# Altium PCB PCB1.PcbDoc
Units mm, origin at the board's own origin, x right, y up, seen from the top; angles counter-clockwise.
Board outline 52.07 x 90.17 mm, 2 copper layers (Top Layer, Bottom Layer); 40 components, 29 nets, 205 pads, 0 vias.
Unrouted connection lines stored in the file: 99.
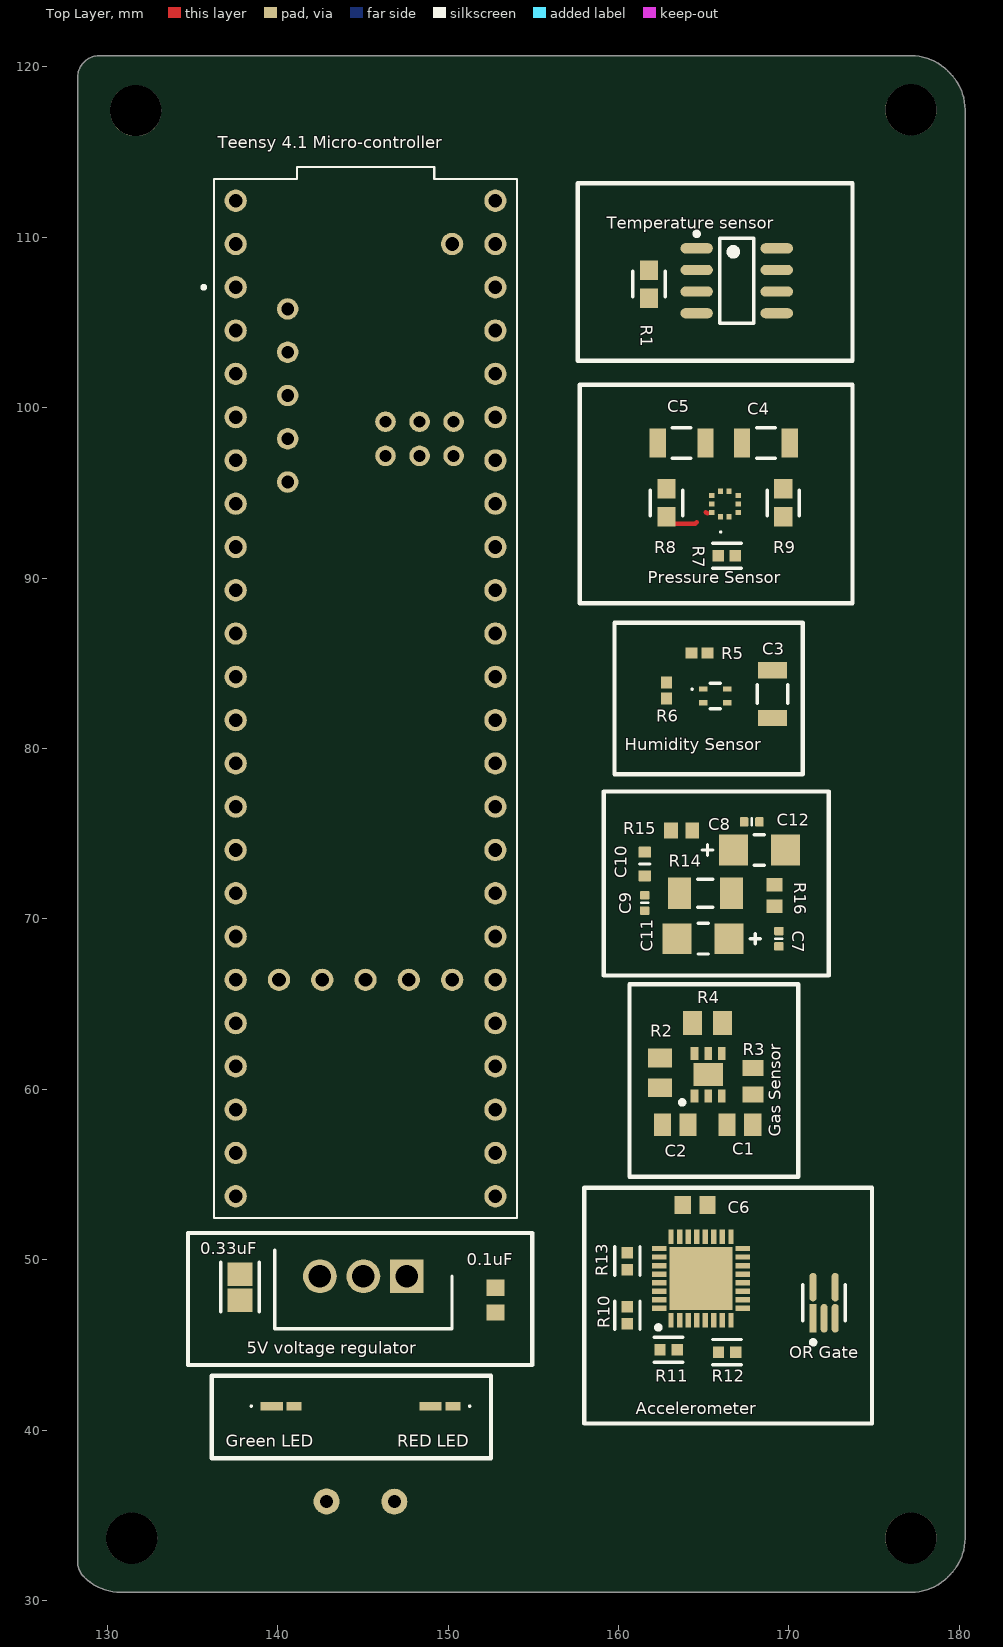
[diagram p0: Top Layer view]
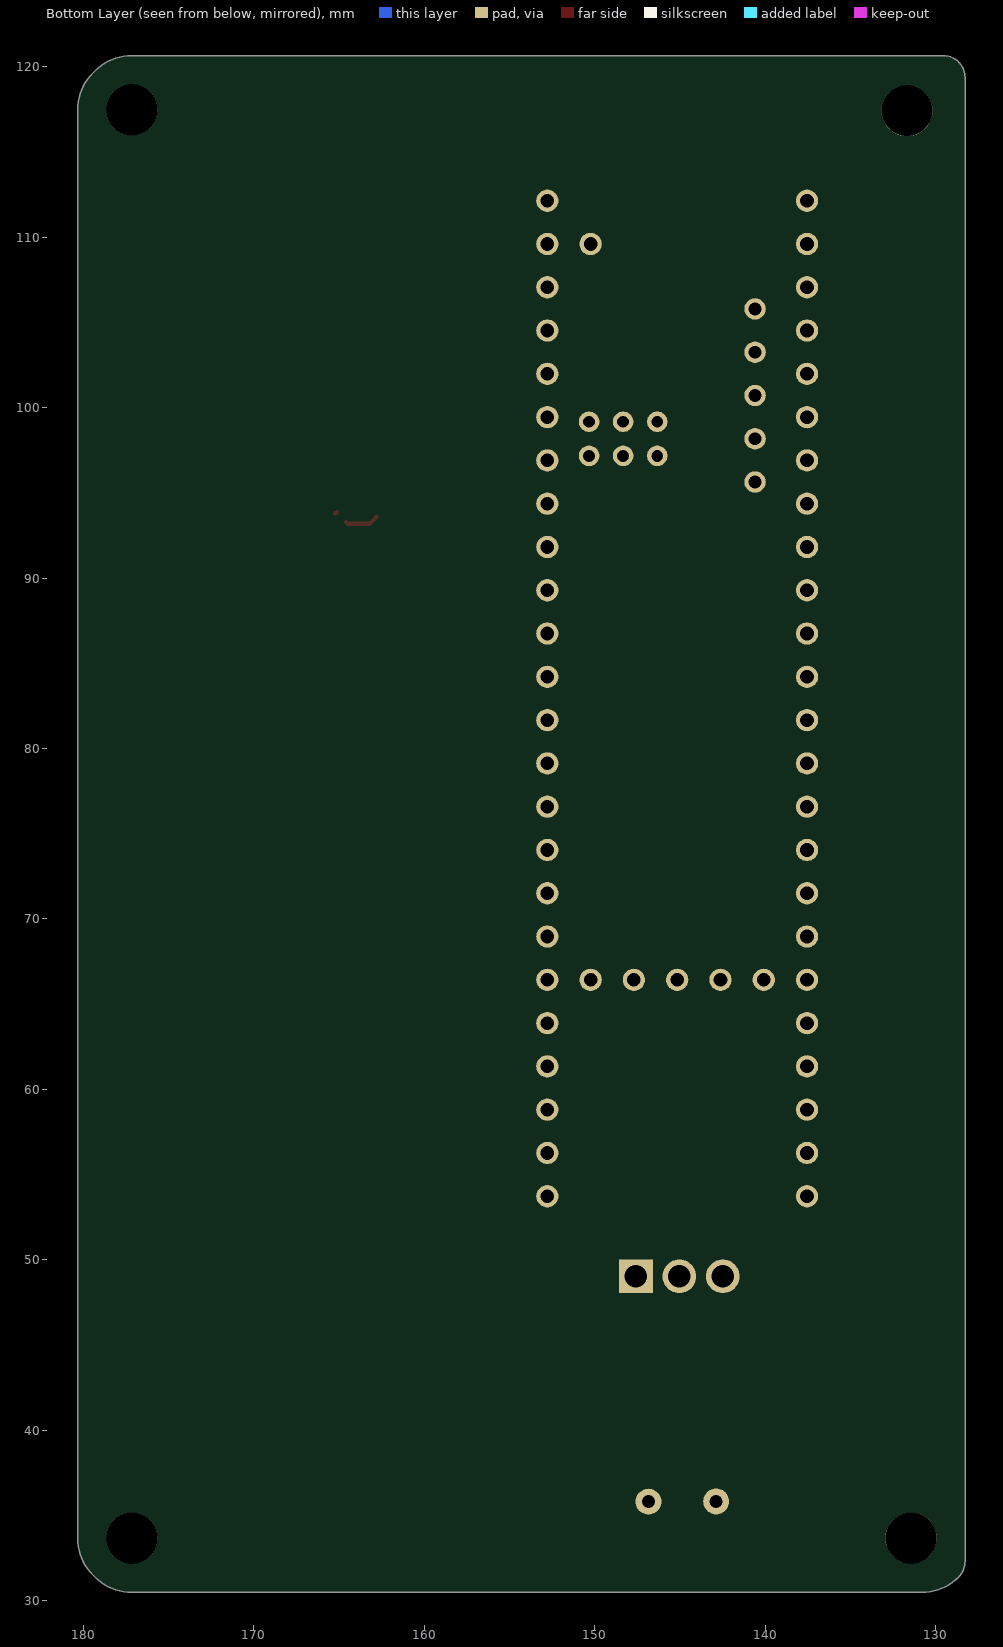
[diagram p1: Bottom Layer view, seen from below]

## Layer stack, top to bottom
Top Solder: solder mask 0.0102, Solder Resist, Dk 3.5
Top Layer: signal copper 0.0356
Dielectric 1: dielectric 0.32, FR-4, Dk 4.8
Bottom Layer: signal copper 0.0356
Bottom Solder: solder mask 0.0102, Solder Resist, Dk 3.5

## Board outline
128.27,32.276 128.27,119.38 cw(c129.54,119.38) 129.54,120.65 177.165,120.65 cw(c177.165,117.584) 179.333,119.752 179.442,119.643 cw(c177.274,117.475) 180.34,117.475 180.34,33.655 cw(c177.274,33.655) 179.442,31.487 179.333,31.378 cw(c177.165,33.546) 177.165,30.48 130.81,30.48 cw(c130.81,33.546) 128.642,31.378 cw(c129.54,32.276)

## Design rules (kind name [scope] priority, off if disabled: settings)
Clearance [All] p1: gap=0.254 ignorepadtopadclearanceinfootprint=FALSE except(0: Arc-Hole Track-Hole SMDPad-Hole THPad-Hole Via-Hole Fill-Hole Poly-Hole Region-Hole Text-Hole)
PolygonConnect [All] p1: connectstyle=Relief reliefconductorwidth=0.254 reliefentries=4 polygonreliefangle="90 Angle" airgapwidth=0.254
RoutingVias [All] p1: holewidth=0.711 width=1.27 viastyle="Through Hole" minholewidth=0.711 minwidth=1.27 maxholewidth=0.711 maxwidth=1.27
SolderMaskExpansion [All] p1: expansion=0.102 istentingtop=FALSE
Width [All] p1: maxlimit=0.254 minlimit=0.254 preferedwidth=0.254
30 further rules are at their usual default settings.

## Classes and differential pairs
component class "Sunsat Full Schematic": 0.1uF 0.33uF "5V voltage regulator" C11 C12 "Green LED" R15 R16 "RED LED" "Teensy 4.1 Micro-controller"
component class "Sensors schematic": Accelerometer C1 C2 C3 C4 C5 C6 "Gas Sensor" "Humidity Sensor" "OR Gate" "Pressure Sensor" R1 R2 R3 R4 R5 R6 R7 R8 R9 R10 R11 R12 R13 "Temperature sensor"
component class "Gyro Sensor": C7 C8 C9 C10 "Gyro Sensor" R14

## Components (designator, comment, footprint, x,y, rotation, side; value= is the part's Value field where it differs from the comment)
0.1uF "GRM188R71H104KA93D" CAPC1608X90X35ML10T15 152.781,47.625 r90 top (schematic designator "0.1uF capacitor")
0.33uF "C2012X8R1E334K125AA" FP-C2012-125-0_2-IPC_B 137.795,48.387 r90 top
"5V voltage regulator" "L7805ACV" TO255P460X1020X2008-3P 147.584,49.022 r180 top
Accelerometer "ADXL314WBCPZ-RL" QFN50P500X500X155-33N-D 164.846,48.895 r90 top
C1 "GRM21BR71H105KA12L" CAPC2013X135X45LL10T25 167.132,57.912 r0 top
C2 "GRM21BR71H105KA12L" CAPC2013X135X45LL10T25 163.334,57.912 r0 top
C3 "C1206C104K2RACTU" FP-C1206C-EB-MFG 169.037,83.185 r270 top value="0.10 μF"
C4 "C1206C104K2RACTU" FP-C1206C-EB-MFG 168.659,97.917 r0 top value="0.10 μF"
C5 "C1206C104K2RACTU" FP-C1206C-EB-MFG 163.703,97.917 r0 top value="0.10 μF"
C6 "GRM188R71H104KA93D" CAPC1608X90X35ML10T15 164.502,53.213 r0 top
C7 "Capacitor 100nF +/-20% 10V 0402" CAPC0402(1005)60_L 169.418,68.834 r90 top value=100nF
C8 "Capacitor 10µF +/-40% 6.3V 0402" CAPC0402(1005)60_L 167.825,75.692 r180 top value=10µF
C9 "Capacitor 10nF +/-20% 50V 0402" CAPC0402(1005)60_L 161.544,70.935 r270 top value=10nF
C10 "Capacitor 470nF +/-20% 25V 0603" CAPC0603(1608)100_L 161.544,73.217 r270 top value=470nF
C11 "293D105X0016A2TE3" FP-293DA-MFG 164.973,68.834 r0 top
C12 "293D105X0016A2TE3" FP-293DA-MFG 168.275,74.041 r180 top
"Gas Sensor" "SGP40-D-R4" SON80P244X244X95-7N 165.265,60.853 r90 top
"Green LED" "ASCKCG00-NW5X5020302" ASCKCG00NW5X5020302 140.205,41.402 r180 top
"Humidity Sensor" "SHT45-AD1B-R2" SHT45AD1BR2 165.673,83.077 r0 top
"OR Gate" "SN74LVC1G32DCKR" FP-DCK0005A-IPC_A 172.07,47.473 r90 top
"Pressure Sensor" "BMP581" BMP581 166.247,94.349 r90 top
R1 "CRCW06033K30FKEA" FP-CRCW0603-e3-IPC_A 161.798,107.241 r270 top
R2 "CRCW080510K0FKEAHP" RESC2013X60X40NL15T20 162.433,60.96 r90 top
R3 "ERJ-6RQF4R7V" RESC2013X70X40LL20T20 167.894,60.465 r90 top
R4 "CRCW080510K0FKEAHP" RESC2013X60X40NL15T20 165.227,63.881 r0 top
R5 "CRCW040210K0FKEDHP" RESC1005X40X25ML05T10 164.752,85.598 r0 top
R6 "CRCW040210K0FKEDHP" RESC1005X40X25ML05T10 162.814,83.406 r270 top
R7 "CRCW04024K70JNED" FP-CRCW0402-e3-IPC_A 166.364,91.313 r180 top
R8 "CRCW060310R0FKEA" FP-CRCW0603-e3-IPC_A 162.814,94.414 r270 top
R9 "CRCW060310R0FKEA" FP-CRCW0603-e3-IPC_A 169.672,94.414 r90 top
R10 "CRCW04024K70JNED" FP-CRCW0402-e3-IPC_A 160.528,46.736 r90 top
R11 "CRCW04024K70JNED" FP-CRCW0402-e3-IPC_A 162.941,44.704 r0 top
R12 "CRCW04024K70JNED" FP-CRCW0402-e3-IPC_A 166.376,44.577 r180 top
R13 "CRCW04024K70JNED" FP-CRCW0402-e3-IPC_A 160.528,49.911 r90 top
R14 "Resistor 10k +/-1% 1206 250 mW" RESC3216X60X45ML15T20 165.099,71.501 r0 top value=10k
R15 "CRCW0603110RFKEA" RESC1609X50X30NL10T20 163.713,75.184 r180 top
R16 "CRCW0603110RFKEA" RESC1609X50X30NL10T20 169.164,71.374 r90 top
"RED LED" "ASCKCR00-BU5V5020402" ASCKCR00BU5V5020402 149.521,41.402 r180 top
"Teensy 4.1 Micro-controller" "Teensy 4.1" MODULE_DEV-16771 145.161,82.931 r270 top
"Temperature sensor" "." MAXM-S8+2_L 166.942,107.442 r0 top

## Footprints (in the part's own frame and the unit in brackets; to place one, negate y for a bottom-side part, rotate by r counter-clockwise, add the part's x,y. Pads: shape width x height; smd on the part's side, far side on the other; paste and mask are expansions set on the pad)
ASCKCG00NW5X5020302 [mm]
  rect 1.3x0.5 smd: 1(0.55,0)
  rect 0.87x0.5 smd: 2(-0.765,0)
  silkscreen extent 1.7,-0.05 1.8,0.05
ASCKCR00BU5V5020402 [mm]
  rect 0.87x0.5 smd: 1(-0.765,0)
  rect 1.3x0.5 smd: 2(0.55,0)
  silkscreen extent -1.8,-0.05 -1.7,0.05
BMP581 [mm]
  rect 0.325x0.3 smd: 1(-0.75,0.25) 2(-0.75,-0.25) 6(0.75,-0.25) 7(0.75,0.25)
  rect 0.3x0.325 smd: 3(-0.5,-0.775) 4(0,-0.775) 5(0.5,-0.775) 8(0.5,0.775) 9(0,0.775) 10(-0.5,0.775)
  silkscreen extent -1.7,0.2 -1.6,0.3
CAPC0402(1005)60_L [mm] "Chip Capacitor, Body 1.0x0.5mm, Height 0.6mm, IPC High Density"
  rrect25% 0.5x0.55 smd: 1(-0.45,0) 2(0.45,0)
  silkscreen extent 0,-0.2 0,0.2, body extent -0.5,-0.25 0.5,0.25, height 0.6
CAPC0603(1608)100_L [mm] "Chip Capacitor, Body 1.6x0.8mm, Height 1.0mm, IPC High Density"
  rrect25% 0.66x0.76 smd: 1(-0.7,0) 2(0.7,0)
  silkscreen extent 0,-0.3 0,0.3, body extent -0.8,-0.4 0.8,0.4, height 0.95
CAPC1608X90X35ML10T15 [mm] "Chip Capacitor, 2-Leads, Body 1.7x0.9mm, IPC Low Density"
  rect 0.95x1.05 smd: 1(-0.725,0) 2(0.725,0)
  body extent -0.85,-0.45 0.85,0.45, height 0.9
CAPC2013X135X45LL10T25 [mm] "Chip Capacitor, 2-Leads, Body 2.00x1.25mm, IPC High Density"
  rect 1x1.3 smd: 1(-0.75,0) 2(0.75,0)
  body extent -1.05,-0.67 1.05,0.68, height 1.35
FP-293DA-MFG [mm]
  rect 1.7x1.8 smd paste+0 mask+0: 1(-1.525,0) 2(1.525,0)
  silkscreen extent -0.3,-0.9 3.35,0.9, body extent -2.47,-1 2.47,1, height 0.25
FP-C1206C-EB-MFG [mm]
  rect 0.95x1.7 smd paste+0 mask+0: 1(-1.4,0) 2(1.4,0)
  silkscreen extent -0.55,-0.9 0.55,0.9, body extent -2,-1 2,1, height 0.25
FP-C2012-125-0_2-IPC_B [mm]
  rect 1.378x1.456 smd paste+0 mask+0: 1(-0.764,0) 2(0.764,0)
  silkscreen extent -1.45,-1.13 1.45,1.13, body extent -1.7,-0.98 1.7,0.98, height 0.25
FP-CRCW0402-e3-IPC_A [mm]
  rect 0.668x0.672 smd paste+0 mask+0: 1(-0.502,0) 2(0.502,0)
  silkscreen extent -0.84,-0.74 0.84,0.74, body extent -1.04,-0.54 1.04,0.54, height 0.25
FP-CRCW0603-e3-IPC_A [mm]
  rect 1.135x1.062 smd paste+0 mask+0: 1(-0.815,0) 2(0.815,0)
  silkscreen extent -0.75,-0.95 0.75,0.95, body extent -1.88,-1.03 1.88,1.03, height 0.25
FP-DCK0005A-IPC_A [mm]
  rect 1.677x0.416 smd paste+0 mask+0: 1(-0.914,0.65)
  rrect100% 1.677x0.416 smd paste+0 mask+0: 2(-0.914,0) 3(-0.914,-0.65) 4(0.914,-0.65) 5(0.914,0.65)
  silkscreen extent -2.45,-1.25 1.05,1.25
MAXM-S8+2_L [mm] "SOIC, 8-Leads, Body 4.90x3.90mm, Pitch 1.27mm, IPC High Density"
  oval 1.9x0.6 smd: 1(-2.35,1.905) 2(-2.35,0.635) 3(-2.35,-0.635) 4(-2.35,-1.905) 5(2.35,-1.905) 6(2.35,-0.635) 7(2.35,0.635) 8(2.35,1.905)
  silkscreen extent -2.47,-2.5 1,2.88, body extent -2,-2.5 2,2.5, height 1.75
MODULE_DEV-16771 [mm]
  round 1.308 hole 0.8: 0(-26.67,-7.62) 1(-24.13,-7.62) 2(-21.59,-7.62) 3(-19.05,-7.62) 3.3V_1(6.35,-7.62) 3.3V_2(-24.13,7.62) 3.3V_3(16.51,-2.54) 4(-16.51,-7.62) 5(-13.97,-7.62) 6(-11.43,-7.62) 7(-8.89,-7.62) 8(-6.35,-7.62) 9(-3.81,-7.62) 10(-1.27,-7.62) 11(1.27,-7.62) 12(3.81,-7.62) 13(3.81,7.62) 14(1.27,7.62) 15(-1.27,7.62) 16(-3.81,7.62) 17(-6.35,7.62) 18(-8.89,7.62) 19(-11.43,7.62) 20(-13.97,7.62) 21(-16.51,7.62) 22(-19.05,7.62) 23(-21.59,7.62) 24(8.89,-7.62) 25(11.43,-7.62) 26(13.97,-7.62) 27(16.51,-7.62) 28(19.05,-7.62) 29(21.59,-7.62) 30(24.13,-7.62) 31(26.67,-7.62) 32(29.21,-7.62) 33(29.21,7.62) 34(26.67,7.62) 35(24.13,7.62) 36(21.59,7.62) 37(19.05,7.62) 38(16.51,7.62) 39(13.97,7.62) 40(11.43,7.62) 41(8.89,7.62) GND1(-29.21,-7.62) GND2(6.35,7.62) GND3(-26.67,7.62) GND4(16.51,0) ON/OFF(16.51,5.08) PROGRAM(16.51,2.54) VBAT(16.51,-5.08) VIN(-29.21,7.62) VUSB(-26.67,5.08)
  round 1.258 hole 0.75: 5V(-22.86,-4.57) D+(-17.78,-4.57) D-(-20.32,-4.57) USB_GND1(-15.24,-4.57) USB_GND2(-12.7,-4.57)
  round 1.208 hole 0.7: GND5(-14.24,3.17) LED(-16.24,3.17) R+(-16.24,5.17) R-(-14.24,5.17) T+(-14.24,1.17) T-(-16.24,1.17)
  silkscreen extent -31.18,-9.6 30.48,8.89, body extent -31.18,-8.89 30.48,8.89, height 7.15
QFN50P500X500X155-33N-D [mm]
  rect 0.85x0.3 smd: 1(-2.45,1.75) 2(-2.45,1.25) 3(-2.45,0.75) 4(-2.45,0.25) 5(-2.45,-0.25) 6(-2.45,-0.75) 7(-2.45,-1.25) 8(-2.45,-1.75) 17(2.45,-1.75) 18(2.45,-1.25) 19(2.45,-0.75) 20(2.45,-0.25) 21(2.45,0.25) 22(2.45,0.75) 23(2.45,1.25) 24(2.45,1.75)
  rect 0.3x0.85 smd: 9(-1.75,-2.45) 10(-1.25,-2.45) 11(-0.75,-2.45) 12(-0.25,-2.45) 13(0.25,-2.45) 14(0.75,-2.45) 15(1.25,-2.45) 16(1.75,-2.45) 25(1.75,2.45) 26(1.25,2.45) 27(0.75,2.45) 28(0.25,2.45) 29(-0.25,2.45) 30(-0.75,2.45) 31(-1.25,2.45) 32(-1.75,2.45)
  rect 3.7x3.7 smd: 33(0,0)
  silkscreen extent -3,2.37 -2.75,2.62
RESC1005X40X25ML05T10 [mm] "Chip Resistor, 2-Leads, Body 1.00x0.50mm, IPC Low Density"
  rect 0.7x0.65 smd: 1(-0.475,0) 2(0.475,0)
  body extent -0.53,-0.27 0.53,0.28, height 0.4
RESC1609X50X30NL10T20 [mm] "Chip Resistor, 2-Leads, Body 1.55x0.85mm, IPC Medium Density"
  rect 0.8x0.95 smd: 1(-0.625,0) 2(0.625,0)
  body extent -0.82,-0.48 0.82,0.48, height 0.5
RESC2013X60X40NL15T20 [mm] "Chip Resistor, 2-Leads, Body 2.00x1.25mm, IPC Medium Density"
  rect 1.1x1.4 smd: 1(-0.875,0) 2(0.875,0)
  body extent -1.07,-0.7 1.08,0.7, height 0.6
RESC2013X70X40LL20T20 [mm] "Chip Resistor, 2-Leads, Body 2.2x1.35mm, IPC High Density"
  rect 0.95x1.25 smd: 1(-0.775,0) 2(0.775,0)
  body extent -1.1,-0.67 1.1,0.67, height 0.7
RESC3216X60X45ML15T20 [mm] "Chip Resistor, 2-Leads, Body 3.3x1.75mm, IPC Low Density"
  rect 1.35x1.85 smd: 1(-1.525,0) 2(1.525,0)
  silkscreen extent -0.45,-0.82 0.45,0.82, body extent -1.65,-0.87 1.65,0.87, height 0.6
SHT45AD1BR2 [mm]
  rect 0.5x0.3 smd: 1(-0.7,0.4) 2(-0.7,-0.4) 3(0.7,-0.4) 4(0.7,0.4)
  silkscreen extent -1.4,-0.75 0.3,0.75
SON80P244X244X95-7N [mm]
  rect 0.75x0.45 smd: 1(-1.25,0.8) 2(-1.25,0) 3(-1.25,-0.8) 4(1.25,-0.8) 5(1.25,0) 6(1.25,0.8)
  rect 1.35x1.74 smd: 7(0,0)
  silkscreen extent -1.75,1.4 -1.5,1.65
TO255P460X1020X2008-3P [mm]
  rect 1.98x1.98 / inner round 1.98 / far side rect 1.98x1.98 hole 1.32: 1(0,0)
  round 1.98 hole 1.32: 2(2.55,0) 3(5.1,0)
  silkscreen extent -2.65,-1.53 7.75,3.07

## Part data
0.1uF C6: library part CMP-2100-03643-1, "Chip Capacitor, 0.1 uF, +/- 10%, 50 V, -55 to 125 degC, 0603 (1608 Metric), RoHS, Tape and Reel", Capacitance=100nF, Case Code (Imperial)=0603, Case Code (Metric)=1608, Dielectric=X7R, Dielectric Material=Ceramic, Insulation Resistance=10GR, Manufacturer=Murata, Max Operating Temperature=125degC, Min Operating Temperature=-55degC, Package Description="2-Pin Surface Mount Device, Body 1.6 x 0.8 mm", Package Quantity=1, Tolerance=10%, Voltage=50V, Case/Package=0603, Contact Plating=Tin, Datasheet URL=http://psearch.en.murata.com/capacitor/product/GRM188R71H104KA93%23.pdf, Datasheet Version=42675.0, Depth=0.8mm, Height=0.8mm, Lead Free=LeadFree, Length=1.6mm, Manufacturer URL=http://www.murata.com/, Material=Ceramic, Mount=SurfaceMount, Number of Pins=2, Package Reference=0603, Packaging=TapeandReel, Radiation Hardening=No, REACH SVHC=NoSVHC, RoHSCompliant=true, Termination=SMD/SMT, Thickness=0.035inch, Voltage Rating=50V, Voltage Rating (DC)=50V, Width=0.8mm
0.33uF: library part CMP-08246-004363-1, "Multilayer Ceramic Capacitors 330nF ±10% 25V X8R SMD 0805", Capacitance=330nF, Case Code (Imperial)=0805, Case Code (Metric)=2012, Dielectric=X8R, Max Operating Temperature=150°C, Min Operating Temperature=-55°C, Package Quantity=1, Resistor Type=Ceramic, Tolerance=10%, Voltage Rating=25V, Case/Package=0805, Depth=1.25mm, Features="High Temperature", Height=1.25mm, Length=2mm, Mount="Surface Mount", Number of Pins=2, Packaging="Tape and Reel", REACH SVHC="No SVHC", RoHS Compliant=Yes, Series=C, Termination=SMD/SMT, Thickness=0.057inch, Voltage Rating (DC)=25V, Weight=0.000194oz, Width=0.049inch
"5V voltage regulator": library part CMP-028-000000-1, "Linear voltage regulator,L7805ACV 5V 1A STMicroelectronics L7805ACV, Single Linear Voltage Regulator, 1A 5 V, 2%, 3-Pin TO-220", Manufacturer_Name=STMicroelectronics, Mouser Part Number=511-L7805ACV, Datasheet Link=http://www.st.com/web/en/resource/technical/document/datasheet/CD00000444.pdf, Design Item ID=L7805ACV, Geometry.Height=4.6mm, Manufacturer_Part_Number=L7805ACV, Mouser Price/Stock=https://www.mouser.co.uk/ProductDetail/STMicroelectronics/L7805ACV?qs=xv3lWMc77RdYd2PeLwOwYw%3D%3D, Source=L7805ACV.SchLib
Accelerometer: library part CMP-016-000000-1, "Accelerometers Hi-G low power XL for CbM", Manufacturer_Name="Analog Devices", Mouser Part Number=584-ADXL314WBCPZ-RL, Datasheet Link=https://www.analog.com/media/en/technical-documentation/data-sheets/adxl314.pdf, Design Item ID=ADXL314WBCPZ-RL, Geometry.Height=1.55mm, Manufacturer_Part_Number=ADXL314WBCPZ-RL, Mouser Price/Stock=https://www.mouser.co.uk/ProductDetail/Analog-Devices/ADXL314WBCPZ-RL?qs=4ASt3YYao0VqiVnUWLAbOQ%3D%3D, Source=ADXL314WBCPZ-RL.SchLib
C1: library part CMP-1036-04761-2, "1uF capacitor", Manufacturer=Murata, Part Number=GRM21BR71H105KA12L
C2: library part CMP-1036-04761-2, "1uF  Capacitor", Manufacturer=Murata, Part Number=GRM21BR71H105KA12L
C3 C4 C5: library part CMP-1037-04222-2, "CAP CER 0.1UF 200V 10% X7R 1206", Capacitance="0.10 μF", Manufacturer=KEMET, Package=C1206C-EB, Temperature="-55°C to +150°C", Temperature Characteristic=X7R, Temperature Coefficient=15%, Temperature Range High=+150°C, Temperature Range Low=-55°C, Tolerance=0.1, Voltage Rating="200 V", Automotive=Yes, Automotive Grade="Grade 0", Category=Cap, ComponentLink2Description=Datasheet, ComponentLink2URL=https://content.kemet.com/datasheets/KEM_C1007_X8R_ULTRA_150C_SMD.pdf, Device Class L1="Passive Components", Device Class L2=Capacitors, Device Class L3="Ceramic Capacitors", Digikey Description="CAP CER 0.1UF 200V 10% X7R 1206", Height=0.88mm, Ipc Land Pattern Name=CAPC320160X78, Lead Free=Yes, Manufacturer Part Number=C1206C104K2RACTU, Material=Ceramic, Mouser Description="Multilayer Ceramic Capacitors MLCC - SMD/SMT 200volts 0.1uF X7R 10%", Octopart=https://octopart.com/c1206c104k2ractu-kemet-9138344, RoHS=TRUE
C7: library part CMP-001-00061-3, "Chip Capacitor, 100nF +/-20%, 10V, 0402, Thickness 0.6 mm", Case/Package=0402, Max Operating Temperature=85°C, Min Operating Temperature=-55°C, Tolerance=20%, Voltage Rating=10V, Mounting Technology=SMT, Pins=2
C8: library part CMP-001-00074-3, "Chip Capacitor, 10µF +/-40%, 6.3V, 0402, Thickness 0.6 mm", Case/Package=0402, Max Operating Temperature=85°C, Min Operating Temperature=-55°C, Tolerance=10%, Voltage Rating=6.3V, Mounting Technology=SMT, Pins=2
C9: library part CMP-001-00069-3, "Chip Capacitor, 10nF +/-20%, 50V, 0402, Thickness 0.6 mm", Case/Package=0402, Max Operating Temperature=85°C, Min Operating Temperature=-55°C, Tolerance=5%, Voltage Rating=50V, Mounting Technology=SMT, Pins=2
C10: library part CMP-001-00077-3, "Chip Capacitor, 470nF +/-20%, 25V, 0603, Thickness 1 mm", Case/Package=0603, Max Operating Temperature=85°C, Min Operating Temperature=-55°C, Tolerance=10%, Voltage Rating=25V, Mounting Technology=SMT, Pins=2
C11 C12: library part CMP-00030-40940187-1, "293D105X0016A2TE3 Surface Mount Tantalum Capacitor, 1 uF, 16 V, ± 20%, -55 °C, 125 °C, 1206 [3216-18 Metric]", Capacitance=1µF, Case Code (Imperial)=1206, Case Code (Metric)=3216, Dielectric Material=Tantalum, ESR (Equivalent Series Resistance)=9.3Ω, Leakage Current=500nA, Max Operating Temperature=125°C, Min Operating Temperature=-55°C, Ripple Current=90mA, Tolerance=20%, Voltage Rating=16V, Case/Package=1206, Depth=1.6mm, Dissipation Factor=4%, Features="General Purpose", Height=1.8mm, Height - Seated (Max)=1.8034mm, Lead Free="Lead Free", Length=3.2mm, Mount="PCB, Surface Mount", NexarPartId=40940187, Number of Pins=2, Packaging="Tape and Reel", Polarity=Polar, Radiation Hardening=No, REACH SVHC=Unknown, RoHS=Compliant, Schedule B="8532210050, 8532210050", Termination=SMD/SMT, Voltage Rating (DC)=16V, Width=1.6002mm
"Gas Sensor": library part CMP-013-000000-1, "Air Quality Sensors Gas Sensor 2.5k pcs IC", Manufacturer_Name=Sensirion, Mouser Part Number=403-SGP40-D-R4, Datasheet Link=https://www.mouser.co.uk/datasheet/2/682/Sensirion_Gas_Sensors_Datasheet_SGP40-3135293.pdf, Design Item ID=SGP40-D-R4, Geometry.Height=0.95mm, Manufacturer_Part_Number=SGP40-D-R4, Mouser Price/Stock=https://www.mouser.co.uk/ProductDetail/Sensirion/SGP40-D-R4?qs=yqaQSyyJnNgaRqiZfsbS1Q%3D%3D, Source=SGP40-D-R4.SchLib
"Green LED": library part CMP-004-00031-1, "Green 524nm LED Indication - Discrete 3.3V 0603 (1608 Metric)", Manufacturer_Name="Avago Technologies", Mouser Part Number=630-ASCKCG00NW5X5020, Datasheet Link=https://docs.broadcom.com/doc/ASCKCx00-xxxxx0x0x02-DS, Design Item ID=ASCKCG00-NW5X5020302, Geometry.Height=0.75mm, Manufacturer_Part_Number=ASCKCG00-NW5X5020302, Mouser Price/Stock=https://www.mouser.co.uk/ProductDetail/Broadcom-Avago/ASCKCG00-NW5X5020302?qs=OcgtsXO%252B3gsRJ%252BJUmBwdbA%3D%3D, Source=ASCKCG00-NW5X5020302.SchLib
"Humidity Sensor": library part CMP-019-000000-1, "4 4th Generation, High-Accuracy, Ultra-Low-Power, 16-bit Relative Humidity and Temperature Sensor", Manufacturer_Name=Sensirion, Mouser Part Number=403-SHT45-AD1B-R2, Datasheet Link=https://www.mouser.de/datasheet/2/682/Datasheet_SHT4x-2936319.pdf, Design Item ID=SHT45-AD1B-R2, Geometry.Height=0.59mm, Manufacturer_Part_Number=SHT45-AD1B-R2, Mouser Price/Stock=https://www.mouser.co.uk/ProductDetail/Sensirion/SHT45-AD1B-R2?qs=Znm5pLBrcAImXcmTJwn%2FTg%3D%3D, Source=SHT45-AD1B-R2.SchLib
"OR Gate": library part CMP-0859-00376-4, "IC GATE OR 1CH 2-INP SC70-5", Case/Package=SC, High Level Output Current=-32mA, Low Level Output Current=32mA, Max Operating Temperature=125°C, Max Supply Voltage=5.5V, Min Operating Temperature=-40°C, Min Supply Voltage=1.65V, Package Quantity=1, Quiescent Current=10uA, Contact Plating=Gold, Height=0.9mm, Lead Free="Lead Free", Length=2mm, Logic Function=OR, Max Output Current=32mA, Mount="Surface Mount", Number of Bits=1, Number of Circuits=1, Number of Elements=1, Number of Gates=1, Number of Input Lines=2, Number of Inputs=2, Number of Output Lines=1, Number of Outputs=1, Number of Pins=5, Output Current=32mA, Packaging="Tape and Reel", Propagation Delay=4ns, Radiation Hardening=No, REACH SVHC="No SVHC", Schmitt Trigger Input=No, Termination=SMD/SMT, Turn-On Delay Time=4.5ns, Weight=8.8E-05oz, Width=1.25mm
"Pressure Sensor": library part CMP-010-000000-1, "Pressure Sensor 4.35PSI ~ 18.13PSI (30kPa ~ 125kPa) Absolute 10-WFLGA", Manufacturer_Name=BOSCH, Mouser Part Number=262-BMP581, Datasheet Link=https://www.bosch-sensortec.com/media/boschsensortec/downloads/datasheets/bst-bmp581-ds004.pdf, Design Item ID=BMP581, Geometry.Height=0.8mm, Manufacturer_Part_Number=BMP581, Mouser Price/Stock=https://www.mouser.co.uk/ProductDetail/Bosch-Sensortec/BMP581?qs=Li%252BoUPsLEntPL9tlFmcgXg%3D%3D, Source=BMP581.SchLib
R1: library part CMP-2100-03614-2, "RES Thick Film, 3.3kΩ, 1%, 0.1W, 100ppm/°C, 0603", Case Code (Imperial)=0603, Case Code (Metric)=1608, Max Operating Temperature=155°C, Max Power Dissipation=100mW, Min Operating Temperature=-55°C, Package Quantity=10, Resistance=3.3kR, Temperature Coefficient=100ppm/°C, Tolerance=1%, Voltage Rating=75V, Case/Package=0603, Composition="Thick Film", Contact Plating=Tin, Depth=0.85mm, Features="Automotive AEC-Q200", Height=0.45mm, Lead Free="Lead Free", Length=1.55mm, Military Standard=Not, Mount="Surface Mount", Number of Terminations=2, Packaging="Tape and Reel", Power Rating=100mW, Radiation Hardening=No, Termination=SMD/SMT, Voltage Rating (DC)=75V, Weight=7.1E-05oz, Width=0.85mm, Working Voltage=75V
R2 R4: library part CMP-2001-04472-1, "10k resistor", Manufacturer="Vishay Dale", Part Number=CRCW080510K0FKEAHP
R3: library part CMP-1665-00033-1, "Chip Resistor, 4.7 Ohm, +/- 1%, 125 mW, -55 to 125 degC, 0805 (2012 Metric), RoHS, Tape and Reel", Case Code (Imperial)=0805, Case Code (Metric)=2012, Max Operating Temperature="125 degC", Min Operating Temperature="-55 degC", Package Quantity=5000, Power Rating="125 mW", Resistance="4.7 Ohm", Tolerance=1%, Case\/Package=0805, ComponentLink1Description="Manufacturer URL", ComponentLink1URL=http://www.panasonic.com/, ComponentLink2Description=Datasheet, ComponentLink2URL=http://industrial.panasonic.com/cdbs/www-data/pdf/RDA0000/AOA0000C86.pdf, DatasheetVersion=04/2015, Height="0.028 inch", Length="0.079 inch", Mount="Surface Mount", Mounting Technology="Surface Mount", PackageDescription="2-Pin Surface Mount Device, Body 2 x 1.5 mm", PackageReference=0805, Packaging="Tape and Reel", PartNumber=ERJ-6RQF4R7V, Pins=2, Radiation Hardening=No, REACH SVHC="No SVHC", RoHSCompliant=true, Width="0.049 inch"
R5 R6: library part CMP-2002-03043-1, "10 K ohm resistor", Manufacturer="Vishay Dale", Part Number=CRCW040210K0FKEDHP
R7 R10 R11 R12 R13: library part CMP-2002-00052-3, "RES Thick Film, 4.7kΩ, 5%, 0.063W, 200ppm/°C, 0402", Case Code (Imperial)=0402, Case Code (Metric)=1005, Max Operating Temperature=155°C, Max Power Dissipation=63mW, Min Operating Temperature=-55°C, Package Quantity=1, Resistance=4.7kR, Temperature Coefficient=200ppm/°C, Tolerance=5%, Voltage Rating=50V, Case/Package=0402, Composition="Thick Film", Contact Plating=Tin, Depth=0.5mm, Features="Automotive AEC-Q200", Height=0.35mm, Length=1mm, Military Standard=Not, Number of Terminations=2, Packaging="Tape and Reel", Power Rating=63mW, Radiation Hardening=No, Termination=SMD/SMT, Weight=2.3E-05oz, Width=0.5mm
R8 R9: library part CMP-2000-03845-2, "RES Thick Film, 10Ω, 1%, 0.1W, 100ppm/°C, 0603", Case Code (Imperial)=0603, Case Code (Metric)=1608, Max Operating Temperature=155°C, Max Power Dissipation=100mW, Min Operating Temperature=-55°C, Package Quantity=10, Resistance=10R, Temperature Coefficient=100ppm/°C, Tolerance=1%, Voltage Rating=75V, Case/Package=0603, Composition="Thick Film", Contact Plating=Tin, Depth=0.85mm, Features="Automotive AEC-Q200", Height=0.45mm, Lead Free="Lead Free", Length=1.55mm, Military Standard=Not, Mount="Surface Mount", Number of Pins=2, Number of Terminations=2, Packaging="Tape and Reel", Power Rating=100mW, Termination=SMD/SMT, Voltage Rating (DC)=75V, Weight=7.1E-05oz, Width=0.033inch
R14: library part CMP-009-00016-5, "Chip Resistor, 10 KOhm, +/- 1%, 0.25 W, -55 to 155 degC, 1206 (3216 Metric)", Case/Package=1206, Max Operating Temperature=155°C, Min Operating Temperature=-55°C, Power=250mW, Tolerance=1%, Voltage Rating=200V, Mounting Technology=SM, Pins=2, RoHS Compliant=True
R15 R16: library part CMP-2000-03854-1, Manufacturer="Vishay Dale", Part Number=CRCW0603110RFKEA
"RED LED": library part CMP-004-00032-1, "Red 622nm LED Indication - Discrete 2.1V 0603 (1608 Metric)", Manufacturer_Name="Avago Technologies", Mouser Part Number=630-ASCKCR00BU5V5020, Datasheet Link=https://docs.broadcom.com/doc/ASCKCx00-xxxxx0x0x02-DS, Design Item ID=ASCKCR00-BU5V5020402, Geometry.Height=0.75mm, Manufacturer_Part_Number=ASCKCR00-BU5V5020402, Mouser Price/Stock=https://www.mouser.co.uk/ProductDetail/Broadcom-Avago/ASCKCR00-BU5V5020402?qs=OcgtsXO%252B3gu355%2FiA8jcWA%3D%3D, Source=ASCKCR00-BU5V5020402.SchLib
"Teensy 4.1 Micro-controller": library part CMP-003-000000-1, "RT1062 Teensy 4.1 series ARMÂ® CortexÂ®-M7 MPU Embedded Evaluation Board", Package=None, Availability="In Stock", Check_prices=https://www.snapeda.com/parts/DEV-16771/SparkFun+Electronics/view-part/?ref=eda, Component Type=Standard, Design Item ID=DEV-16771, MF="SparkFun Electronics", MP=DEV-16771, Pin Count=65, Price=None, Purchase-URL=https://pricing.snapeda.com/search/part/DEV-16771/?ref=eda, SnapEDA_Link=https://www.snapeda.com/parts/DEV-16771/SparkFun+Electronics/view-part/?ref=snap, Source=DEV-16771.SchLib
"Temperature sensor": library part CMP-0253-00019-2, "High-Precision 1-Wire Digital Thermometer, -55 to 125 degC, 8-Pin SOIC (S8+2), Pb-Free", Generic Part Number=DS18B20, PartNumber=DS18B20Z+, Temp. Thresh.="Programmable (NV)", Code_JEDEC=MS012, ComponentLink1Description="Manufacturer URL", ComponentLink1URL=http://www.maximintegrated.com/, ComponentLink2Description=Datasheet, ComponentLink2URL=http://datasheets.maximintegrated.com/en/ds/DS18B20.pdf, ComponentLink3Description="Package Specification", ComponentLink3URL=http://pdfserv.maximintegrated.com/package_dwgs/21-0041.PDF, DatasheetVersion="Rev. 4", Interface=1-Wire, Mounting Technology="Surface Mount", Multi Droppable=Yes, PackageDescription="8-Pin Small-Outline IC, Narrow (0.15in) (S8+2), Body 4.90 x 3.90 mm, Pitch 1.27 mm", PackageReference=S8+2, PackageVersion="Rev. D, 10/2012", Parasite Pwr.=Yes, RoHS=Pb-Free, Sensor Type=Local

## Free pads (board coordinates)
  round 1.524 hole 0.762: 2(146.85,35.8) ""(142.875,35.814)
  round 3 hole 3: 24(131.445,33.655) 24(131.675,117.425) 24(177.165,33.655) 24(177.165,117.475)

## Nets (pads, with @x,y where several pads share a name; then routed paths per layer and width w, separated by ;. In a path a pad name is that pad's centre, name@x,y a point inside that pad or via, vN(x,y) a via of type N, cw(c..) or ccw(c..) an arc to the next point about the centre after c; other vN are vias at no path point)
3.3V: "Gas Sensor.5" "Teensy 4.1 Micro-controller.3.3V_2" Accelerometer.5 C2.2 C6.2 C11.2 R1.2 R2.2 R3.2 R4.2 R7.1 R8.1 R9.2 R10.2 R11.1 R12.2 R13.1
+5: C7.1 C8.1
+5V: "OR Gate.5" "Teensy 4.1 Micro-controller.5V" "Temperature sensor.3" C12.2
GND: 0.1uF.2 0.33uF.2 "5V voltage regulator.2" "Gas Sensor.2" "Gas Sensor.4" "Gas Sensor.7" "Green LED.1" "Humidity Sensor.4" "OR Gate.3" "Pressure Sensor.3" "Pressure Sensor.7" "Pressure Sensor.8" "Pressure Sensor.9" "RED LED.1" "Teensy 4.1 Micro-controller.GND1" "Teensy 4.1 Micro-controller.GND2" "Teensy 4.1 Micro-controller.GND3" "Teensy 4.1 Micro-controller.GND4" "Teensy 4.1 Micro-controller.GND5" "Teensy 4.1 Micro-controller.USB_GND1" "Teensy 4.1 Micro-controller.USB_GND2" "Temperature sensor.5" Accelerometer.1 Accelerometer.3 Accelerometer.4 C1.1 C2.1 C3.1 C4.1 C5.2 C6.1 C7.2 C8.2 C9.2 C11.1 C12.1 pad.2 R14.2
"Net0.1uF capacitor_1": 0.1uF.1 "5V voltage regulator.3" "Teensy 4.1 Micro-controller.VIN" R15.1 R16.1
Net0.33uF_1: 0.33uF.1 "5V voltage regulator.1" pad.
NetAccelerometer_6: "Teensy 4.1 Micro-controller.15" Accelerometer.6
NetAccelerometer_23: "Teensy 4.1 Micro-controller.12" Accelerometer.23 R13.2
NetAccelerometer_24: "Teensy 4.1 Micro-controller.11" Accelerometer.24 R12.1
NetAccelerometer_26: "Teensy 4.1 Micro-controller.27" Accelerometer.26 R11.2
NetAccelerometer_31: Accelerometer.31 R10.1
NetC1_2: "Gas Sensor.1" C1.2 R3.1
NetC3_2: "Humidity Sensor.3" C3.2 R5.2 R6.1
NetC4_2: "Pressure Sensor.10" C4.2 R8.2 | length 2.1
  Top Layer w0.254: R8.2 162.814,93.579 163.218,93.175 164.5,93.175 164.6,93.275 ; 165.12,93.85 165.152,93.818 165.207,93.818 165.225,93.8
NetC5_1: "Pressure Sensor.1" "Pressure Sensor.5" "Pressure Sensor.6" C5.1 R9.1
NetC9_1: C9.1 C10.1
NetC10_2: C10.2 R14.1
"NetGas Sensor_3": "Gas Sensor.3" "Teensy 4.1 Micro-controller.17" R2.1
"NetGas Sensor_6": "Gas Sensor.6" "Pressure Sensor.2" "Teensy 4.1 Micro-controller.13" R4.1
"NetGreen LED_2": "Green LED.2" R15.2
"NetGyro Sensor_2": "Teensy 4.1 Micro-controller.33"
"NetGyro Sensor_3": "Teensy 4.1 Micro-controller.26"
"NetGyro Sensor_4": "Teensy 4.1 Micro-controller.1"
"NetGyro Sensor_5": "Teensy 4.1 Micro-controller.36"
"NetHumidity Sensor_1": "Humidity Sensor.1" "Teensy 4.1 Micro-controller.25" R6.2
"NetHumidity Sensor_2": "Humidity Sensor.2" "Teensy 4.1 Micro-controller.24" R5.1
"NetPressure Sensor_4": "Pressure Sensor.4" "Teensy 4.1 Micro-controller.18" R7.2
NetR1_1: "Teensy 4.1 Micro-controller.2" "Temperature sensor.4" R1.1
NetR16_2: "RED LED.2" R16.2
pads on no net: "OR Gate.1" "OR Gate.2" "OR Gate.4" "Teensy 4.1 Micro-controller.0" "Teensy 4.1 Micro-controller.3" "Teensy 4.1 Micro-controller.3.3V_1" "Teensy 4.1 Micro-controller.3.3V_3" "Teensy 4.1 Micro-controller.4" "Teensy 4.1 Micro-controller.5" "Teensy 4.1 Micro-controller.6" "Teensy 4.1 Micro-controller.7" "Teensy 4.1 Micro-controller.8" "Teensy 4.1 Micro-controller.9" "Teensy 4.1 Micro-controller.10" "Teensy 4.1 Micro-controller.14" "Teensy 4.1 Micro-controller.16" "Teensy 4.1 Micro-controller.19" "Teensy 4.1 Micro-controller.20" "Teensy 4.1 Micro-controller.21" "Teensy 4.1 Micro-controller.22" "Teensy 4.1 Micro-controller.23" "Teensy 4.1 Micro-controller.28" "Teensy 4.1 Micro-controller.29" "Teensy 4.1 Micro-controller.30" "Teensy 4.1 Micro-controller.31" "Teensy 4.1 Micro-controller.32" "Teensy 4.1 Micro-controller.34" "Teensy 4.1 Micro-controller.35" "Teensy 4.1 Micro-controller.37" "Teensy 4.1 Micro-controller.38" "Teensy 4.1 Micro-controller.39" "Teensy 4.1 Micro-controller.40" "Teensy 4.1 Micro-controller.41" "Teensy 4.1 Micro-controller.D+" "Teensy 4.1 Micro-controller.D-" "Teensy 4.1 Micro-controller.LED" "Teensy 4.1 Micro-controller.ON/OFF" "Teensy 4.1 Micro-controller.PROGRAM" "Teensy 4.1 Micro-controller.R+" "Teensy 4.1 Micro-controller.R-" "Teensy 4.1 Micro-controller.T+" "Teensy 4.1 Micro-controller.T-" "Teensy 4.1 Micro-controller.VBAT" "Teensy 4.1 Micro-controller.VUSB" "Temperature sensor.1" "Temperature sensor.2" "Temperature sensor.6" "Temperature sensor.7" "Temperature sensor.8" Accelerometer.2 Accelerometer.7 Accelerometer.8 Accelerometer.9 Accelerometer.10 Accelerometer.11 Accelerometer.12 Accelerometer.13 Accelerometer.14 Accelerometer.15 Accelerometer.16 Accelerometer.17 Accelerometer.18 Accelerometer.19 Accelerometer.20 Accelerometer.21 Accelerometer.22 Accelerometer.25 Accelerometer.27 Accelerometer.28 Accelerometer.29 Accelerometer.30 Accelerometer.32 Accelerometer.33

## Silkscreen, mask and mechanical layers (free items; w line width, h text height)
Top Overlay:
  lines w0.254: 134.747,43.815 154.94,43.815 154.94,51.562 134.747,51.562 134.747,43.815 ; 136.144,38.354 152.527,38.354 152.527,43.18 136.144,43.18 136.144,38.354 ; 157.607,102.743 173.736,102.743 173.736,113.157 157.607,113.157 157.607,102.743 ; 157.734,88.519 173.736,88.519 173.736,101.346 157.734,101.346 157.734,88.519 ; 157.988,40.386 174.879,40.386 174.879,54.229 157.988,54.229 157.988,40.386 ; 159.131,66.675 172.339,66.675 172.339,77.47 159.131,77.47 159.131,66.675 ; 159.766,78.486 159.766,87.376 170.815,87.376 170.815,78.486 159.766,78.486 ; 160.655,54.864 170.561,54.864 170.561,66.167 160.655,66.167 160.655,54.864
Mechanical 1:
  lines w0.254: 128.27,32.276 ccw(c129.54,32.276) 128.642,31.378 ccw(c130.81,33.546) 130.81,30.48 177.165,30.48 ccw(c177.165,33.546) 179.333,31.378 179.442,31.487 ccw(c177.274,33.655) 180.34,33.655 180.34,117.475 ccw(c177.274,117.475) 179.442,119.643 179.333,119.752 ccw(c177.165,117.584) 177.165,120.65 130.81,120.65 130.175,120.65 129.54,120.65 ccw(c129.54,119.38) 128.27,119.38 128.27,118.482 128.27,118.11 128.27,32.276